# Altium PCB SoBQ.PcbDoc (part 3 of 4)
Units mil, origin at the board's own origin, x right, y up, seen from the top; angles counter-clockwise.
Board outline 16169.25 x 5124.03 mil, 2 copper layers (L1, L2), stack 62.8 mil thick; 313 components, 247 nets, 1579 pads, 489 vias.
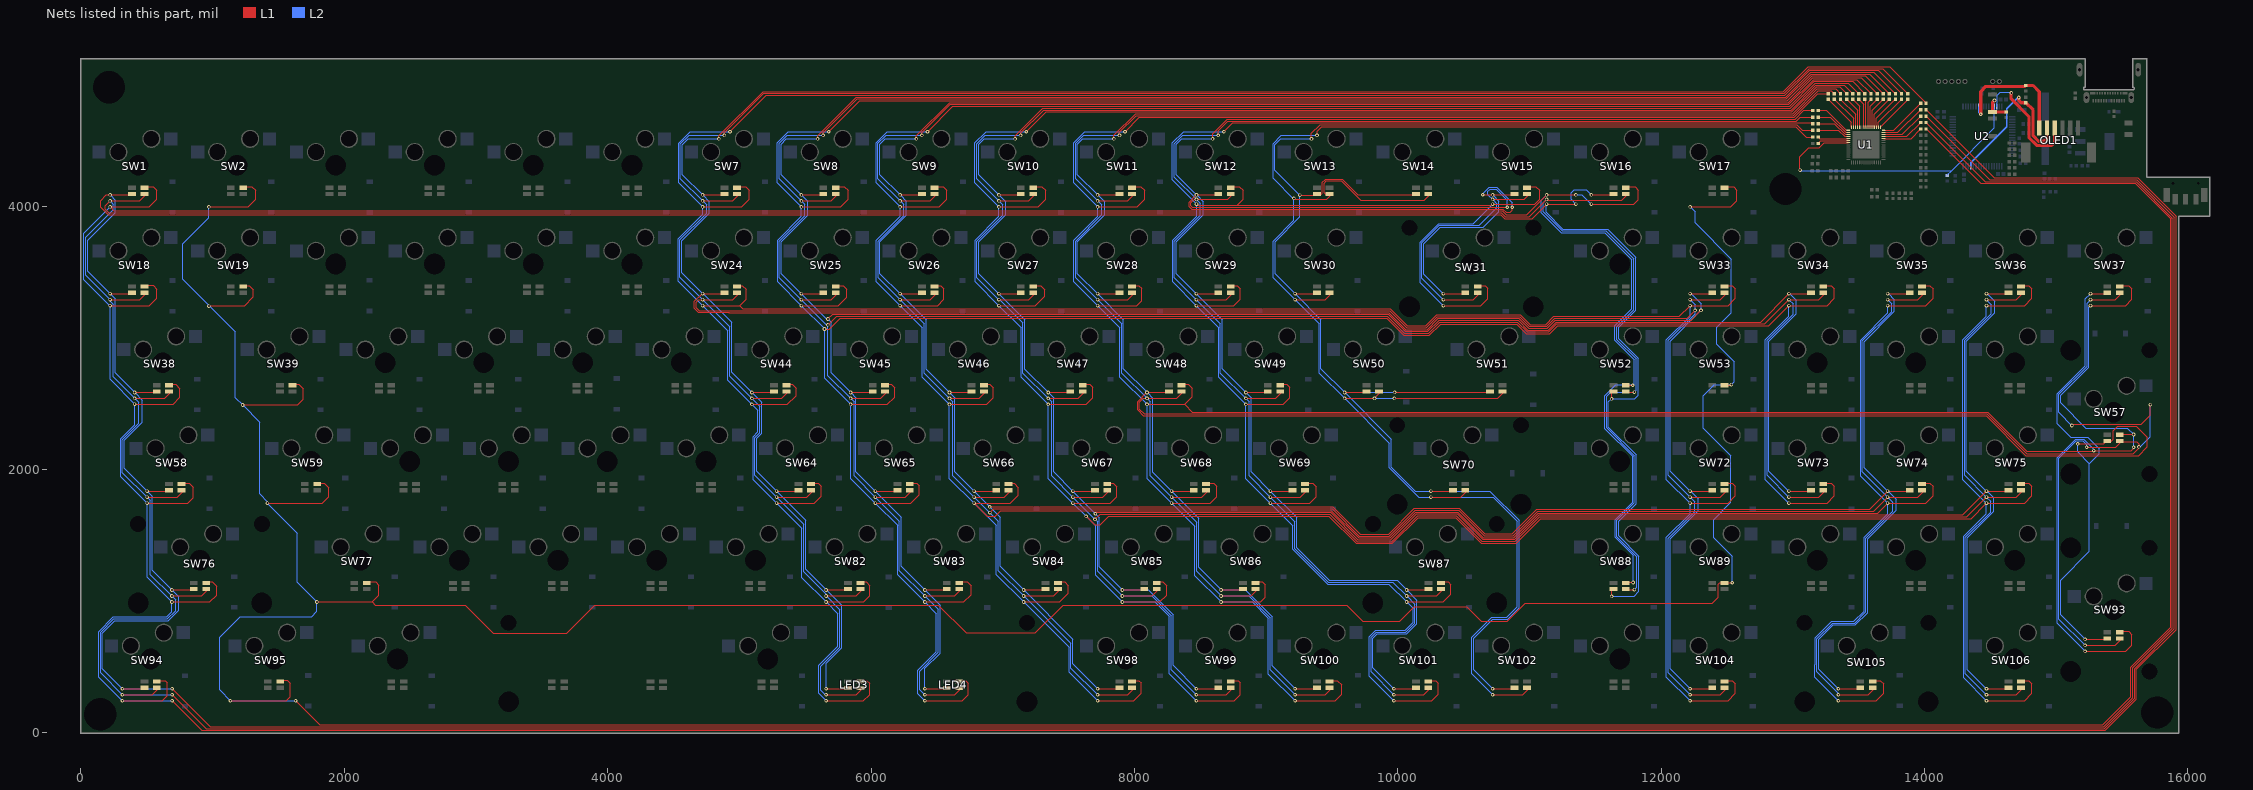
[diagram p3: the nets of this part, all layers, seen from the top]

## Via types
v1: diameter 27, hole 15, L1 to L2, 406 vias
v2: diameter 27, hole 13, L1 to L2, tented both sides, 41 vias
v3: diameter 27, hole 13, L1 to L2, 36 vias
v4: diameter 20, hole 10, L1 to L2, 4 vias
v5: diameter 30, hole 15, L1 to L2, 2 vias

## Nets (pads, with @x,y where several pads share a name; then routed paths per layer and width w, separated by ;. In a path a pad name is that pad's centre, name@x,y a point inside that pad or via, vN(x,y) a via of type N, cw(c..) or ccw(c..) an arc to the next point about the centre after c; other vN are vias at no path point) (continued)
NetLED3_B: LED3.B R14.2 SW7.B SW24.B SW33.B SW44.B SW64.B SW72.B SW82.B SW104.B | length 29901.6
  L1 w8: v1(4721,3244.98) 5002.98,3244.98 ; v1(4721,3994.98) 5019.98,3994.98 5077,4052 5077,4121 5048,4150 SW7.B@4997.05,4150 ; v1(4929,4566) 5206,4843 12940.71,4843 13129.71,5032 13648.78,5032 R14.2@13826.11,4854.67 ; SW24.B@4994.05,3397 5024,3397 5053,3368 5053,3295 5002.98,3244.98 ; v1(5096,2494.98) 5364.98,2494.98 5431,2561 5431,2618 5402,2647 SW44.B@5369.05,2647 ; v1(5283.5,1744.98) 5568.98,1744.98 5622,1798 5622,1875 5600,1897 SW64.B@5556.55,1897 ; v1(5659,244.98) 5942.73,244.98 5988.75,291 5988.75,377 5968.75,397 LED3.B@5932.05,397 ; v1(5659,994.98) 5942.98,994.98 5992,1044 5992,1120 5965,1147 SW82.B@5932.05,1147 ; v1(12221,244.98) 12509.98,244.98 12565,300 12565,373 12541,397 SW104.B@12494.05,397 ; v1(12221,1744.98) 12509.98,1744.98 12565,1800 12565,1873 12541,1897 SW72.B@12494.05,1897 ; SW33.B@12494.05,3397 12541,3397 12565,3373 12565,3300 12509.98,3244.98 v1(12221,3244.98) 12139.02,3163 11186,3163 11125,3102 11005.99,3102 10931.99,3176 10296,3176 10212,3092 10073.99,3092 9943.99,3222 9231.26,3222 9230.73,3221.48 5026.48,3221.48 5002.98,3244.98
  L2 w8: v1(4929,4566) 4625.4,4566 4539,4479.6 4539,4176.98 v1(4721,3994.98) 4721,3937.6 4535,3751.6 4535,3430.98 v1(4721,3244.98) 4913,3053.02 4913,2677.98 v1(5096,2494.98) 5141,2449.98 5141,2286.6 5104,2249.6 5104,1924.48 v1(5283.5,1744.98) 5475,1553.48 5475,1178.98 v1(5659,994.98) 5748,905.98 5748,657.6 5604,513.6 5604,299.98 v1(5659,244.98) ; v1(12221,244.98) 12041,424.98 12041,1486.6 12221,1666.6 v1(12221,1744.98) 12041,1924.98 12041,2986.6 12221,3166.6 v1(12221,3244.98)
NetLED3_G: LED3.G R15.2 SW7.G SW24.G SW33.G SW44.G SW64.G SW72.G SW82.G SW104.G | length 28432.3
  L1 w8: v1(4721,4040.48) 4948.55,4040.48 SW7.G@4994.05,4085.98 ; v1(4887,4539) 4887,4557.23 5186.77,4857 12934.91,4857 13123.91,5046 13682.16,5046 R15.2@13873.5,4854.67 ; SW24.G@4994.05,3335.98 4948.55,3290.48 v1(4721,3290.48) 4691.48,3290.48 4673,3272 4673,3230 4695.52,3207.48 9938.72,3207.48 10068.2,3078 10217.8,3078 10301.8,3162 10926.2,3162 11000.2,3088 11130.8,3088 11191.8,3149 12197,3149 v1(12258,3210) ; v1(5096,2540.48) 5323.55,2540.48 SW44.G@5369.05,2585.98 ; v1(5283.5,1790.48) 5511.05,1790.48 SW64.G@5556.55,1835.98 ; v1(5659,290.48) 5886.55,290.48 LED3.G@5932.05,335.98 ; v1(5659,1040.48) 5886.55,1040.48 SW82.G@5932.05,1085.98 ; v1(12221,290.48) 12448.55,290.48 SW104.G@12494.05,335.98 ; v1(12221,1790.48) 12448.55,1790.48 SW72.G@12494.05,1835.98 ; v1(12221,3290.48) 12448.55,3290.48 SW33.G@12494.05,3335.98
  L2 w8: v1(4887,4539) 4618.2,4539 4553,4473.8 4553,4208.48 v1(4721,4040.48) 4751,4010.48 4751,3947.8 4549,3745.8 4549,3462.48 v1(4721,3290.48) 4927,3084.48 4927,2709.48 v1(5096,2540.48) 5155,2481.48 5155,2280.8 5118,2243.8 5118,1955.98 v1(5283.5,1790.48) 5489,1584.98 5489,1222.74 5659,1052.74 v1(5659,1040.48) 5762,937.48 5762,651.8 5618,507.8 5618,324 5651.52,290.48 v1(5659,290.48) ; v1(12221,290.48) 12055,456.48 12055,1480.8 12254,1679.8 12254,1757.48 v1(12221,1790.48) 12055,1956.48 12055,2980.8 12258,3183.8 v1(12258,3210) 12258,3253.48 v1(12221,3290.48)
NetLED3_R: LED3.R R17.1 SW7.R SW24.R SW33.R SW44.R SW64.R SW72.R SW82.R SW104.R | length 27453.2
  L1 w8: v1(4721,4085.98) SW7.R@4875.94,4085.98 ; v1(4845,4512) 4845,4535.03 5180.97,4871 12929.11,4871 13118.11,5060 13734.96,5060 R17.1@14012.11,4782.85 ; SW24.R@4875.94,3335.98 v1(4721,3335.98) 4717.18,3335.98 4659,3277.8 4659,3224.2 4689.72,3193.48 4920.52,3193.48 4921,3193 9933.4,3193 10062.4,3064 10223.6,3064 10307.6,3148 10920.4,3148 10994.4,3074 11136.6,3074 11197.6,3135 12229,3135 v1(12303,3209) ; v1(5096,2585.98) SW44.R@5250.94,2585.98 ; v1(5283.5,1835.98) SW64.R@5438.44,1835.98 ; v1(5659,335.98) LED3.R@5813.94,335.98 ; v1(5659,1085.98) SW82.R@5813.94,1085.98 ; v1(12221,335.98) SW104.R@12375.94,335.98 ; v1(12221,1835.98) SW72.R@12375.94,1835.98 ; v1(12221,3335.98) SW33.R@12375.94,3335.98
  L2 w8: v1(4845,4512) 4611,4512 4567,4468 4567,4239.98 v1(4721,4085.98) 4771,4035.98 4771,3948 4563,3740 4563,3493.98 v1(4721,3335.98) 4723.02,3338 4941,3120.02 4941,2740.98 v1(5096,2585.98) 5169,2512.98 5169,2275 5132,2238 5132,1987.48 v1(5283.5,1835.98) 5503,1616.48 5503,1241.98 v1(5659,1085.98) 5776,968.98 5776,646 5659,529 v1(5659,335.98) ; v1(12221,335.98) 12069,487.98 12069,1475 12281,1687 12281,1780.02 12223.02,1838 v1(12221,1835.98) 12069,1987.98 12069,2975 v1(12303,3209) 12304,3210 12304,3259.02 12224.02,3339 v1(12221,3335.98)
NetLED4_B: LED4.B R11.2 SW8.B SW25.B SW34.B SW45.B SW65.B SW73.B SW83.B | length 26971.5
  L1 w8: v1(5471,3244.98) 5751.98,3244.98 5816,3309 5816,3369 5788,3397 SW25.B@5744.05,3397 ; v1(5471,3994.98) 5769.98,3994.98 5827,4052 5827,4121 5798,4150 SW8.B@5747.05,4150 ; v1(5647,3068) 5684,3068 5767,3151 9916,3151 10045,3022 10240.99,3022 10324.99,3106 10903,3106 10977,3032 11153.99,3032 11214.99,3093 12819.02,3093 v1(12971,3244.98) 13259.98,3244.98 13315,3300 13315,3373 13291,3397 SW34.B@13244.05,3397 ; v1(5679,4566) 5914,4801 12958.1,4801 13147.1,4990 13551.63,4990 R11.2@13686.96,4854.67 ; v1(5846,2494.98) 6123.98,2494.98 6180,2551 6180,2621 6154,2647 SW45.B@6119.05,2647 ; v1(6033.5,1744.98) 6301.98,1744.98 6367,1810 6367,1876 6346,1897 SW65.B@6306.55,1897 ; v1(6409,244.98) 6692.73,244.98 6738.75,291 6738.75,377 6718.75,397 LED4.B@6682.05,397 ; v1(6409,994.98) 6705.98,994.98 6760,1049 6760,1119 6732,1147 SW83.B@6682.05,1147 ; v1(12971,1744.98) 13259.98,1744.98 13315,1800 13315,1873 13291,1897 SW73.B@13244.05,1897
  L2 w8: v1(5679,4566) 5372.4,4566 5289,4482.6 5289,4176.98 v1(5471,3994.98) 5471,3922.6 5290,3741.6 5290,3425.98 v1(5471,3244.98) 5647,3068.98 v1(5647,3068) 5647,2693.98 v1(5846,2494.98) 5846,1932.48 v1(6033.5,1744.98) 6033.82,1744.98 6202,1576.8 6202,1201.98 v1(6409,994.98) 6497,906.98 6497,617.6 6356,476.6 6356,297.98 v1(6409,244.98) ; v1(12971,1744.98) 12791,1924.98 12791,2986.6 12971,3166.6 v1(12971,3244.98)
NetLED4_G: LED4.G R12.2 SW8.G SW25.G SW34.G SW45.G SW65.G SW73.G SW83.G | length 25194.4
  L1 w8: v1(5471,3290.48) 5698.55,3290.48 SW25.G@5744.05,3335.98 ; v1@5471,4040.48 5698.55,4040.48 SW8.G@5744.05,4085.98 ; v1(5637,4539) 5637,4557.23 5894.77,4815 12952.31,4815 13141.31,5004 13584.01,5004 R12.2@13733.34,4854.67 ; v1(5672,3100) 5675.23,3100 5740.23,3165 9921.8,3165 10050.8,3036 10235.2,3036 10319.2,3120 10908.8,3120 10982.8,3046 11148.2,3046 11209.2,3107 12787.52,3107 v1(12971,3290.48) 13198.55,3290.48 SW34.G@13244.05,3335.98 ; v1(5846,2540.48) 6073.55,2540.48 SW45.G@6119.05,2585.98 ; v1(6033.5,1790.48) 6261.05,1790.48 SW65.G@6306.55,1835.98 ; v1(6409,290.48) 6636.55,290.48 LED4.G@6682.05,335.98 ; v1(6409,1040.48) 6636.55,1040.48 SW83.G@6682.05,1085.98 ; v1(12971,1790.48) 13198.55,1790.48 SW73.G@13244.05,1835.98
  L2 w8: v1@5471,4040.48 5303,4208.48 5303,4476.8 5365.2,4539 v1(5637,4539) ; v1(5471,4041) 5497,4015 5497,3928.8 5304,3735.8 5304,3457.48 v1(5471,3290.48) 5661.48,3100 v1(5672,3100) 5672,2714.48 v1(5846,2540.48) 5871,2515.48 5871,1952.98 v1(6033.5,1790.48) 6216,1607.98 6216,1233.48 v1(6409,1040.48) 6511,938.48 6511,611.8 6370,470.8 6370,329.48 v1(6409,290.48) ; v1(12971,1790.48) 12805,1956.48 12805,2980.8 13003,3178.8 13003,3258.48 v1(12971,3290.48)
NetLED4_R: LED4.R R13.2 SW8.R SW25.R SW34.R SW45.R SW65.R SW73.R SW83.R | length 24093.6
  L1 w8: v1(5471,3335.98) SW25.R@5625.94,3335.98 ; v1(5471,4085.98) SW8.R@5625.94,4085.98 ; v1(5595,4512) 5595,4535.03 5888.97,4829 12946.51,4829 13135.51,5018 13616.39,5018 R13.2@13779.73,4854.67 ; v1(5673,3144) 5708,3179 9927.6,3179 10056.6,3050 10229.4,3050 10313.4,3134 10914.6,3134 10988.6,3060 11142.4,3060 11203.4,3121 12756.02,3121 v1(12971,3335.98) SW34.R@13125.94,3335.98 ; v1(5846,2585.98) SW45.R@6000.94,2585.98 ; v1(6033.5,1835.98) SW65.R@6188.44,1835.98 ; v1(6409,335.98) LED4.R@6563.94,335.98 ; v1(6409,1085.98) SW83.R@6563.94,1085.98 ; v1(12971,1835.98) SW73.R@13125.94,1835.98
  L2 w8: v1(5595,4512) 5358,4512 5317,4471 5317,4239.98 v1(5471,4085.98) 5519,4037.98 5519,3931 5318,3730 5318,3488.98 v1(5471,3335.98) 5664.98,3142 5666.98,3144 v1(5673,3144) 5698,3119 5698,2733.98 v1(5846,2585.98) 5886,2545.98 5886,1983.48 v1(6033.5,1835.98) 6230,1639.48 6230,1264.98 v1(6409,1085.98) 6525,969.98 6525,606 6409,490 v1(6409,335.98) ; v1(12971,3335.98) 12974.02,3339 13026,3287.02 13026,3182 12819,2975 12819,1987.98 v1(12971,1835.98) v1@12973.02,1838
NetOLED1_1: OLED1.1 R59.1 U2.55 | length 999.1
  L1 w25: v3(14426.5,4698) 14426.5,4870 14466.31,4909.81 14763.11,4909.81 R59.1@14770.5,4917.2 14824.8,4917.2 14871.36,4870.64 OLED1.1@14871.36,4593.41
  L2 w10: U2.55@14410.97,4757.38 14410.97,4714.3 14426.88,4698.39 v3(14426.5,4698)
NetOLED1_2: OLED1.2 R60.1 U2.29 | length 1243.6
  L1 w25: v3(14715.49,4826) 14715.49,4806.51 14735.67,4786.33 R60.1@14770.16,4786.33 14825,4731.5 14825,4534 14866,4493 14909,4493 14930.42,4514.42 OLED1.2@14930.42,4593.41
  L2 w10: U2.29@14351.91,4304.62 14351.91,4330.42 14624.76,4603.27 14624.76,4741.79 14708.98,4826 v3(14715.49,4826)
NetOLED1_3: OLED1.3 U2.62 | length 941.6
  L1 w25: v3(14660.5,4861) 14658.01,4858.51 14658.01,4816.49 14794,4680.5 14794,4521.16 14853.16,4462 14965,4462 14989.47,4486.47 OLED1.3@14989.47,4593.41
  L2 w6: U2.62@14548.76,4757.38 14548.76,4779.95 14554.53,4785.71 14554.53,4844.35 14577.36,4867.18 14654.32,4867.18 v3(14660.5,4861)
NetR1_1: R1.1 SW109.2 U2.60 | length 252.9
  L1 w25: v3(14532.03,4804) 14517.19,4789.16 SW109.2@14517.19,4716.26 14517.74,4715.71 R1.1@14620,4715.71
  L2 w8: U2.60@14509.39,4757.38 14509.39,4781.36 v3(14532.03,4804)
NetR2_1: R2.1 U1.60 | length 285.6
  L1 w8: R2.1@13269.5,4813.33 13445.54,4637.29 U1.60@13445.54,4600.66
NetR2_2: R2.2 SW11.B SW28.B SW37.B SW48.B SW57.B SW68.B SW86.B SW93.B SW100.B | length 26286.7
  L1 w8: v1(7721,3244.98) 8016.98,3244.98 8055,3283 8055,3377 8035,3397 SW28.B@7994.05,3397 ; v1(7721,3994.98) 8019.98,3994.98 8077,4052 8077,4121 8048,4150 SW11.B@7997.05,4150 ; v1(7929,4566) 8038,4675 13010.5,4675 13190.16,4854.67 R2.2@13269.5,4854.67 ; v1(8096,2494.98) 8381.98,2494.98 ; v1(8283.5,1744.98) 8574.98,1744.98 8625,1795 8625,1873 8601,1897 SW68.B@8556.55,1897 ; SW48.B@8369.05,2647 8409,2647 8439,2617 8439,2552 8381.98,2494.98 ; v1(8659,994.98) 8957.98,994.98 8994,1031 8994,1125 8972,1147 SW86.B@8932.05,1147 ; v1(9221,244.98) 9523.98,244.98 9573,294 9573,366 9542,397 SW100.B@9494.05,397 ; v1(15221,619.98) 15527.98,619.98 15576,668 15576,748 15552,772 SW93.B@15494.05,772 ; v1(15261,3245) 15527.95,3245 ; SW57.B@15494.05,2272 15499.05,2267 v1(15588,2267) ; SW37.B@15494.05,3397 15552,3397 15576,3373 15576,3293 15527.98,3244.98 ; v1(15588,2170) 15588,2162 15571,2145 v2(15285,2145) 15284,2146 15277,2139 14778.6,2139 14480.6,2437 8439.95,2437 8381.98,2494.98
  L2 w8: v1(7929,4566) 7621.4,4566 7539,4483.6 7539,4176.98 v1(7721,3994.98) 7721,3922.6 7540,3741.6 7540,3425.98 v1(7721,3244.98) 7889,3076.98 7889,2701.98 v1(8096,2494.98) 8096,1932.48 v1(8283.5,1744.98) 8283.82,1744.98 8459,1569.8 8459,1194.98 v1(8659,994.98) 8893.82,994.98 9018,870.8 9018,447.98 v1(9221,244.98) ; v1(15221,619.98) 15006.83,834.14 15006.83,2090.87 15148.47,2232.5 15208.5,2232.5 15285,2156 v2(15285,2145) ; v1(15261,3245) 15249,3233 15249,2779 15034.83,2564.83 15034.83,2506.17 15226,2315 15540,2315 v1(15588,2267) v1(15588,2170)
NetR3_1: R3.1 U1.59 | length 272.9
  L1 w8: R3.1@13315.88,4813.33 13461.29,4667.92 U1.59@13461.29,4600.66
NetR3_2: R3.2 SW11.G SW28.G SW37.G SW48.G SW57.G SW68.G SW86.G SW93.G SW100.G | length 25704.4
  L1 w8: v1(7721,3290.48) 7948.55,3290.48 SW28.G@7994.05,3335.98 ; v1(7721,4040.48) 7948.55,4040.48 SW11.G@7994.05,4085.98 ; v1(7887,4539) 7887,4561 8015,4689 13004.5,4689 13193.5,4878 13292.55,4878 R3.2@13315.88,4854.67 ; v1(8283.5,1790.48) 8511.05,1790.48 SW68.G@8556.55,1835.98 ; SW48.G@8369.05,2585.98 8323.55,2540.48 v1(8096,2540.48) 8068.48,2540.48 8038,2510 8038,2459 8074,2423 14474.8,2423 14776.8,2121 15587,2121 15629,2163 v1(15629,2173) 15631,2175 15631,2193 15613.02,2210.98 15494.05,2210.98 15452.08,2169 v2(15231,2169) ; v1(8659,1040.48) 8886.55,1040.48 SW86.G@8932.05,1085.98 ; v1(9221,290.48) 9448.55,290.48 SW100.G@9494.05,335.98 ; v2(15120,2335) 15128,2343 15646,2343 15716,2413 v1(15716,2493) ; v1(15221,665.48) 15448.55,665.48 SW93.G@15494.05,710.98 ; v1(15261,3290.48) 15448.55,3290.48 SW37.G@15494.05,3335.98
  L2 w8: v1(7721,4040.48) 7553,4208.48 7553,4477.8 7614.2,4539 v1(7887,4539) ; v1@7721,4041 7752,4010 7752,3933.8 7554,3735.8 7554,3457.48 v1(7721,3290.48) 7903,3108.48 7903,2733.48 v1(8096,2540.48) 8121,2515.48 8121,1952.98 v1(8283.5,1790.48) 8473,1600.98 8473,1226.48 v1(8659,1040.48) 8868.12,1040.48 9032,876.6 9032,479.48 v1(9221,290.48) ; v2(15120,2335) 15020.83,2434.17 15020.83,2570.63 15235,2784.8 15235,3264.48 v1(15261,3290.48) ; v1(15221,665.48) 15020.83,865.64 15020.83,2085.07 15154.27,2218.5 15202.5,2218.5 15231,2190 v2(15231,2169) ; v1(15629,2173) 15639,2173 15716,2250 v1(15716,2493)
NetR4_1: R4.1 U1.58 | length 260.2
  L1 w8: R4.1@13362.26,4813.33 13477.04,4698.56 U1.58@13477.04,4600.66
NetR4_2: R4.2 SW11.R SW28.R SW37.R SW48.R SW57.R SW68.R SW86.R SW93.R SW100.R | length 24358.4
  L1 w8: v1(7721,3335.98) SW28.R@7875.94,3335.98 ; v1(7721,4085.98) SW11.R@7875.94,4085.98 ; v1(7845,4512) 7845,4538.8 8009.2,4703 12998.7,4703 13187.7,4892 13324.93,4892 R4.2@13362.26,4854.67 ; SW48.R@8250.94,2585.98 v1(8096,2585.98) 8094.18,2585.98 8024,2515.8 8024,2453.2 8068.2,2409 14469,2409 14771,2107 15626,2107 15692,2173 15692,2247 15610,2329 15468,2329 15435,2296 15435,2231 15414.98,2210.98 15375.94,2210.98 15359.97,2195 v2(15164,2195) ; v1(8283.5,1835.98) SW68.R@8438.44,1835.98 ; v1(8659,1085.98) SW86.R@8813.94,1085.98 ; v1(9221,335.98) SW100.R@9375.94,335.98 ; v1(15221,710.98) SW93.R@15375.94,710.98 ; v1(15261,3335.98) SW37.R@15375.94,3335.98
  L2 w8: v1(7845,4512) 7607,4512 7567,4472 7567,4239.98 v1(7721,4085.98) 7774,4032.98 7774,3936 7568,3730 7568,3488.98 v1(7721,3335.98) 7917,3139.98 7917,2764.98 v1(8096,2585.98) 8139,2542.98 8139,1980.48 v1(8283.5,1835.98) 8487,1632.48 8487,1257.98 v1(8659,1085.98) 8842.42,1085.98 9046,882.4 9046,510.98 v1(9221,335.98) ; v2@15160,2195 v2(15164,2195) 15164,2135.37 15253,2046.37 ; v1(15221,710.98) 15034.83,897.14 15034.83,1161.83 15253,1380 15253,2046.37 ; v1(15261,3335.98) 15221,3295.98 15221,2790.6 15006.83,2576.43 15006.83,2349.17 15109.5,2246.5 15240.5,2246.5 15327,2160 15327,2120.37 15253,2046.37
NetR5_1: R5.1 U1.57 | length 247.5
  L1 w8: R5.1@13408.65,4813.33 13492.78,4729.2 U1.57@13492.78,4600.66
NetR5_2: R5.2 SW10.B SW27.B SW36.B SW47.B SW67.B SW75.B SW85.B SW99.B SW106.B | length 27250
  L1 w8: v1(6971,3244.98) 7247.98,3244.98 7321,3318 7321,3365 7289,3397 SW27.B@7244.05,3397 ; v1(6971,3994.98) 7269.98,3994.98 7327,4052 7327,4121 7298,4150 SW10.B@7247.05,4150 ; v1(7179,4566) 7330,4717 12992.9,4717 13181.9,4906 13357.32,4906 R5.2@13408.65,4854.67 ; v1(7346,2494.98) 7632.98,2494.98 7683,2545 7683,2625 7661,2647 SW47.B@7619.05,2647 ; v1(7533.5,1744.98) 7816.98,1744.98 7867,1795 7867,1871 7841,1897 SW67.B@7806.55,1897 ; v1(7633.4,1645.4) 7697.8,1581 7739,1581 7805,1647 9478.01,1647 9685.01,1440 9959.99,1440 10155.99,1636 10439.01,1636 10633.01,1442 10898.99,1442 11084.99,1628 14354.02,1628 v1(14471,1744.98) 14759.98,1744.98 14815,1800 14815,1873 14791,1897 SW75.B@14744.05,1897 ; v1(7909,994.98) 8193.98,994.98 8245,1046 8245,1119 8217,1147 SW85.B@8182.05,1147 ; v1(8471,244.98) 8758.98,244.98 8805,291 8805,381 8789,397 SW99.B@8744.05,397 ; v1(14471,244.98) 14759.98,244.98 14815,300 14815,373 14791,397 SW106.B@14744.05,397 ; v1@14471,3244.98 14759.98,3244.98 14815,3300 14815,3373 14791,3397 SW36.B@14744.05,3397
  L2 w8: v1(7179,4566) 6873.4,4566 6789,4481.6 6789,4176.98 v1(6971,3994.98) 6971,3922.6 6790,3741.6 6790,3425.98 v1(6971,3244.98) 7140,3075.98 7140,2700.98 v1(7346,2494.98) 7346,1932.48 v1(7533.5,1744.98) 7533.82,1744.98 v1(7633.4,1645.4) 7706,1572.8 7706,1197.98 v1(7909,994.98) 8155.82,994.98 8266,884.8 8266,449.98 v1(8471,244.98) ; v1(14471,244.98) 14297,418.98 14297,1492.6 14471,1666.6 v1(14471,1744.98) 14291,1924.98 14291,2986.6 14471,3166.6 v1@14471,3244.98
  other v1: 14471,3246
NetR6_1: R6.1 U1.56 | length 234.8
  L1 w8: R6.1@13455.03,4813.33 13508.53,4759.83 U1.56@13508.53,4600.66
NetR6_2: R6.2 SW10.G SW27.G SW36.G SW47.G SW67.G SW75.G SW85.G SW99.G SW106.G | length 25171.7
  L1 w8: v1(6971,3290.48) 7198.55,3290.48 SW27.G@7244.05,3335.98 ; v1(6971,4040.48) 7198.55,4040.48 SW10.G@7244.05,4085.98 ; v1(7137,4539) 7137,4557.23 7310.77,4731 12987.1,4731 13176.1,4920 13389.7,4920 R6.2@13455.03,4854.67 ; v1(7346,2540.48) 7573.55,2540.48 SW47.G@7619.05,2585.98 ; v1(7533.5,1790.48) 7761.05,1790.48 SW67.G@7806.55,1835.98 ; v1(7700.99,1622.99) 7739,1661 9483.8,1661 9690.8,1454 9954.2,1454 10150.2,1650 10444.8,1650 10638.8,1456 10893.2,1456 11079.2,1642 14322.52,1642 v1(14471,1790.48) 14698.55,1790.48 SW75.G@14744.05,1835.98 ; v1(7909,1040.48) 8136.55,1040.48 SW85.G@8182.05,1085.98 ; v1(8471,290.48) 8698.55,290.48 SW99.G@8744.05,335.98 ; v1(14471,290.48) 14698.55,290.48 SW106.G@14744.05,335.98 ; v1(14471,3290.48) 14698.55,3290.48 SW36.G@14744.05,3335.98
  L2 w8: v1(6971,4040.48) 6803,4208.48 6803,4475.8 6866.2,4539 v1(7137,4539) ; v1@6971,4041 6999,4013 6999,3930.8 6804,3735.8 6804,3457.48 v1(6971,3290.48) 6979.52,3290.48 7154,3116 7154,2732.48 v1(7346,2540.48) 7372,2514.48 7372,1951.98 v1(7533.5,1790.48) v1(7700.99,1622.99) 7720,1603.98 7720,1229.48 v1(7909,1040.48) 8130.12,1040.48 8280,890.6 8280,481.48 v1(8471,290.48) ; v1(14471,290.48) 14311,450.48 14311,1486.8 14502,1677.8 14502,1759.48 v1(14471,1790.48) 14305,1956.48 14305,2980.8 14508,3183.8 14508,3253.48 v1(14471,3290.48)
NetR7_1: R7.1 U1.54 | length 228.7
  L1 w8: R7.1@13501.42,4813.33 13540.03,4774.72 U1.54@13540.03,4600.66
NetR7_2: R7.2 SW10.R SW27.R SW36.R SW47.R SW67.R SW75.R SW85.R SW99.R SW106.R | length 23947.1
  L1 w8: v1(6971,3335.98) SW27.R@7125.94,3335.98 ; v1(6971,4085.98) SW10.R@7125.94,4085.98 ; v1(7095,4512) 7095,4535.03 7304.97,4745 12981.3,4745 13170.3,4934 13422.09,4934 R7.2@13501.42,4854.67 ; v1(7346,2585.98) SW47.R@7500.94,2585.98 ; v1(7533.5,1835.98) SW67.R@7688.44,1835.98 ; v1(7703,1665) 7713,1675 9489.6,1675 9696.6,1468 9948.4,1468 10144.4,1664 10450.6,1664 10644.6,1470 10887.4,1470 11073.4,1656 14291.02,1656 v1(14471,1835.98) SW75.R@14625.94,1835.98 ; v1(7909,1085.98) SW85.R@8063.94,1085.98 ; v1(8471,335.98) SW99.R@8625.94,335.98 ; v1(14471,335.98) SW106.R@14625.94,335.98 ; v1(14471,3335.98) SW36.R@14625.94,3335.98
  L2 w8: v1(7095,4512) 6859,4512 6817,4470 6817,4239.98 v1(6971,4085.98) 7024,4032.98 7024,3936 6818,3730 6818,3488.98 v1(6971,3335.98) 7168,3138.98 7168,2763.98 v1(7346,2585.98) 7386,2545.98 7386,1983.48 v1(7533.5,1835.98) v1@7703.74,1665.74 ; v1(7703,1665) 7734,1634 7734,1260.98 v1(7909,1085.98) 8104.42,1085.98 8294,896.4 8294,512.98 v1(8471,335.98) ; v1(14471,335.98) 14325,481.98 14325,1481 14526.1,1682.1 14526.1,1784.92 14473.02,1838 v1(14471,1835.98) 14319,1987.98 14319,2975 14534,3190 14534,3279.02 14474.02,3339 v1(14471,3335.98)
NetR8_1: R8.1 U1.53 | length 216
  L1 w8: R8.1@13547.8,4813.33 13555.78,4805.36 U1.53@13555.78,4600.66
NetR8_2: R8.2 SW9.B SW26.B SW35.B SW46.B SW66.B SW74.B SW84.B SW98.B SW105.B | length 28351.2
  L1 w8: v1(6221,3244.98) 6504.98,3244.98 6554,3294 6554,3374 6531,3397 SW26.B@6494.05,3397 ; v1(6221,3994.98) 6519.98,3994.98 6577,4052 6577,4121 6548,4150 SW9.B@6497.05,4150 ; v1(6429,4566) 6622,4759 12975.5,4759 13164.5,4948 13454.47,4948 R8.2@13547.8,4854.67 ; v1(6596,2494.98) 6878.98,2494.98 6930,2546 6930,2620 6903,2647 SW46.B@6869.05,2647 ; SW66.B@7056.55,1897 7086,1897 7119,1864 7119,1805 7058.98,1744.98 v1(6783.5,1744.98) 6881.48,1647 6942,1647 6984,1689 9495.4,1689 9702.4,1482 9942.6,1482 10138.6,1678 10456.4,1678 10650.4,1484 10881.6,1484 11067.6,1670 13646.02,1670 v1(13721,1744.98) 14009.98,1744.98 14065,1800 14065,1873 14041,1897 SW74.B@13994.05,1897 ; v1(7159,994.98) 7432.98,994.98 7499,1061 7499,1120 7472,1147 SW84.B@7432.05,1147 ; v1(7721,244.98) 7993.98,244.98 8052,303 8052,380 8035,397 SW98.B@7994.05,397 ; v1(13346,244.98) 13634.98,244.98 13690,300 13690,373 13666,397 SW105.B@13619.05,397 ; v1(13721,3244.98) 14009.98,3244.98 14065,3300 14065,3373 14041,3397 SW35.B@13994.05,3397
  L2 w8: v1(6429,4566) 6122.4,4566 6039,4482.6 6039,4176.98 v1(6221,3994.98) 6221,3922.6 6040,3741.6 6040,3425.98 v1(6221,3244.98) 6390,3075.98 6390,2700.98 v1(6596,2494.98) 6596,1932.48 v1(6783.5,1744.98) 6783.82,1744.98 6952,1576.8 6952,1201.98 v1(7159,994.98) 7504,649.98 7504,461.98 v1(7721,244.98) ; v1(13346,244.98) 13168,422.98 13168,520 13169,521 13169,721.79 13296.21,849 13464.4,849 13541,925.6 13541,1486.6 13721,1666.6 v1(13721,1744.98) 13515,1950.98 13515,2983.6 13721,3189.6 v1(13721,3244.98)
NetR9_1: R9.1 U1.52 | length 222.1
  L1 w8: U1.52@13571.52,4600.66 13571.52,4790.67 R9.1@13594.19,4813.33
NetR9_2: R9.2 SW9.G SW26.G SW35.G SW46.G SW66.G SW74.G SW84.G SW98.G SW105.G | length 26265.3
  L1 w8: v1(6221,3290.48) 6448.55,3290.48 SW26.G@6494.05,3335.98 ; v1(6221,4040.48) 6448.55,4040.48 SW9.G@6494.05,4085.98 ; v1(6387,4539) 6387,4557.23 6602.77,4773 12969.7,4773 13158.7,4962 13486.86,4962 R9.2@13594.19,4854.67 ; v1(6596,2540.48) 6823.55,2540.48 SW46.G@6869.05,2585.98 ; v1(6783.5,1790.48) 7011.05,1790.48 SW66.G@7056.55,1835.98 ; v1(6902,1673) 6932,1703 9501.2,1703 9708.2,1496 9936.8,1496 10132.8,1692 10462.2,1692 10656.2,1498 10875.8,1498 11061.8,1684 13614.52,1684 v1(13721,1790.48) 13948.55,1790.48 SW74.G@13994.05,1835.98 ; v1(7159,1040.48) 7386.55,1040.48 SW84.G@7432.05,1085.98 ; v1(7721,290.48) 7948.55,290.48 SW98.G@7994.05,335.98 ; v1(13346,290.48) 13573.55,290.48 SW105.G@13619.05,335.98 ; v1(13721,3290.48) 13948.55,3290.48 SW35.G@13994.05,3335.98
  L2 w8: v1(6387,4539) 6115.2,4539 6053,4476.8 6053,4208.48 v1(6221,4040.48) 6247.5,4013.98 6247.5,3929.3 6054,3735.8 6054,3457.48 v1(6221,3290.48) 6404,3107.48 6404,2732.48 v1(6596,2540.48) 6622,2514.48 6622,1951.98 v1(6783.5,1790.48) 6966,1607.98 6966,1233.48 v1(7159,1040.48) 7518,681.48 7518,493.48 v1(7721,290.48) ; v1(13346,290.48) 13346,302.74 13183,465.74 13183,509 13182,510 13183,511 13183,715.99 13302.01,835 13470.2,835 13555,919.8 13555,1480.8 13758,1683.8 13758,1753.48 v1(13721,1790.48) 13529,1982.48 13529,2977.8 13750,3198.8 13750,3261.48 v1(13721,3290.48)
NetR10_1: R10.1 U1.51 | length 234.7
  L1 w8: U1.51@13587.27,4600.66 13587.27,4760.03 R10.1@13640.57,4813.33
NetR10_2: R10.2 SW9.R SW26.R SW35.R SW46.R SW66.R SW74.R SW84.R SW98.R SW105.R | length 25058
  L1 w8: v1(6221,3335.98) SW26.R@6375.94,3335.98 ; v1(6221,4085.98) SW9.R@6375.94,4085.98 ; v1(6345,4512) 6345,4535.03 6596.97,4787 12963.9,4787 13152.9,4976 13519.24,4976 R10.2@13640.57,4854.67 ; v1(6596,2585.98) SW46.R@6750.94,2585.98 ; v1(6783.5,1835.98) SW66.R@6938.44,1835.98 ; v1(6901.74,1717.74) 6902.48,1717 9507,1717 9714,1510 9931,1510 10127,1706 10468,1706 10662,1512 10870,1512 11056,1698 13583.02,1698 v1(13721,1835.98) SW74.R@13875.94,1835.98 ; v1(7159,1085.98) SW84.R@7313.94,1085.98 ; v1(7721,335.98) SW98.R@7875.94,335.98 ; v1(13346,335.98) SW105.R@13500.94,335.98 ; v1(13721,3335.98) SW35.R@13875.94,3335.98
  L2 w8: v1(6345,4512) 6108,4512 6067,4471 6067,4239.98 v1(6221,4085.98) 6268,4038.98 6268,3930 6068,3730 6068,3488.98 v1(6221,3335.98) 6418,3138.98 6418,2763.98 v1(6596,2585.98) 6636,2545.98 6636,1983.48 v1(6783.5,1835.98) v1(6901.74,1717.74) 6980,1639.48 6980,1264.98 v1(7159,1085.98) 7532,712.98 7532,524.98 v1(7721,335.98) ; v1(13346,335.98) 13197,484.98 13197,710.19 13307.81,821 13476,821 13569,914 13569,1475 13785,1691 13785,1776.02 13723.02,1838 v1(13721,1835.98) 13543,2013.98 13543,2972 13772,3201 13772,3291.02 13724.02,3339 v1(13721,3335.98)
NetR11_1: R11.1 U1.50 | length 247.4
  L1 w8: U1.50@13603.02,4600.66 13603.02,4729.39 R11.1@13686.96,4813.33
NetR12_1: R12.1 U1.49 | length 260.1
  L1 w8: U1.49@13618.77,4600.66 13618.77,4698.76 R12.1@13733.34,4813.33
NetR13_1: R13.1 U1.48 | length 272.8
  L1 w8: U1.48@13634.52,4600.66 13634.52,4668.12 R13.1@13779.73,4813.33
NetR14_1: R14.1 U1.47 | length 285.5
  L1 w8: U1.47@13650.26,4600.66 13650.26,4637.48 R14.1@13826.11,4813.33
NetR15_1: R15.1 U1.46 | length 298.6
  L1 w8: U1.46@13666.01,4600.66 13873.5,4808.14 R15.1@13873.5,4813.33
NetR16_1: R16.1 U1.1 | length 292.4
  L1 w8: R16.1@13192.06,4727.64 13254.86,4727.64 13405.26,4577.24 U1.1@13422.11,4577.24
NetR16_2: R16.2 SW12.R SW15.R SW29.R SW31.R SW49.R SW69.R SW87.R SW101.R | length 16190.3
  L1 w8: v1(8471,3335.98) SW29.R@8625.94,3335.98 ; v1(8595,4512) 8595,4550.8 8705.2,4661 13017.5,4661 13084.13,4727.64 R16.2@13150.72,4727.64 ; SW12.R@8625.94,4085.98 v1(8472,4085.98) 8471.18,4085.98 8416,4030.8 8416,3997.2 8434.2,3979 10799.27,3979 10824.27,3954 10854,3954 10870,3970 v2(10870,3993.5) ; v1(8846,2585.98) SW49.R@9000.94,2585.98 ; v1(9033.5,1835.98) SW69.R@9188.44,1835.98 ; v1(9971,335.98) SW101.R@10125.94,335.98 ; v1(10067.5,1085.98) SW87.R@10222.44,1085.98 ; v1(10346,3335.98) SW31.R@10500.94,3335.98 ; v2(10645,4087) 10646.02,4085.98 v1(10721,4085.98) SW15.R@10875.94,4085.98
  L2 w8: v1(8595,4512) 8359,4512 8317,4470 8317,4239.98 8443,4113.98 8444,4113.98 v1(8472,4085.98) 8522,4035.98 8522,3934 8318,3730 8318,3488.98 v1(8471,3335.98) 8667,3139.98 8667,2764.98 v1(8846,2585.98) 8886,2545.98 8886,1983.48 v1(9033.5,1835.98) 9232,1637.48 9232,1405.6 9478.6,1159 9994.48,1159 v1(10067.5,1085.98) 10144,1009.48 10144,828 10068,752 9844,752 9812,720 9812,494.98 v1(9971,335.98) ; v1(10346,3335.98) 10198,3483.98 10198,3717 10321.9,3840.9 10649.9,3840.9 10768,3959 10768,4038.98 v1(10721,4085.98) ; v2(10645,4087) 10645,4093.8 10695.2,4144 10753.8,4144 10870,4027.8 v2(10870,3993.5) v2@10870,3987
NetR17_2: R17.2 U1.45 | length 366.5
  L1 w8: U1.45@13689.44,4577.24 13765.17,4577.24 R17.2@13970.78,4782.85
NetR18_1: R18.1 U1.2 | length 278.1
  L1 w8: R18.1@13192.06,4677.37 13285.33,4677.37 13401.21,4561.49 U1.2@13422.11,4561.49
NetR18_2: R18.2 SW12.G SW15.G SW29.G SW31.G SW49.G SW69.G SW87.G SW101.G | length 17075.2
  L1 w8: v1(8471,3290.48) 8698.55,3290.48 SW29.G@8744.05,3335.98 ; v1(8637,4539) 8637,4573 8711,4647 13027.5,4647 13057.86,4677.37 R18.2@13150.72,4677.37 ; SW12.G@8744.05,4085.98 8710.08,4052 v1(8472,4052) 8457,4052 8430,4025 8430,4003 8440,3993 10831,3993 v2(10832,3992) ; v1(8846,2540.48) 9073.55,2540.48 SW49.G@9119.05,2585.98 ; v1(9033.5,1790.48) 9261.05,1790.48 SW69.G@9306.55,1835.98 ; v1(9971,290.48) 10198.55,290.48 SW101.G@10244.05,335.98 ; v1(10067.5,1040.48) 10295.05,1040.48 SW87.G@10340.55,1085.98 ; v1(10346,3290.48) 10573.55,3290.48 SW31.G@10619.05,3335.98 ; v1(10721,4052) 10960.08,4052 SW15.G@10994.05,4085.98
  L2 w8: v1@8471,4041 8482,4052 8482,4042 8501,4023 8501,3932.8 8304,3735.8 8304,3457.48 v1(8471,3290.48) 8653,3108.48 8653,2733.48 v1(8846,2540.48) 8872,2514.48 8872,1951.98 v1(9033.5,1790.48) 9218,1605.98 9218,1399.8 9472.8,1145 9962.98,1145 v1(10067.5,1040.48) 10130,977.98 10130,833.8 10062.2,766 9838.2,766 9798,725.8 9798,463.48 v1(9971,290.48) ; v1(8472,4052) 8303,4221 8303,4475.8 8366.2,4539 v1(8637,4539) ; v1(10346,3290.48) 10184,3452.48 10184,3722.8 10316.1,3854.9 10618.9,3854.9 10752,3988 10752,4021 v1(10721,4052) 10685,4088 10685,4114 10701,4130 10748,4130 10832,4046 v2(10832,3992)
NetR19_1: R19.1 SW1.B SW16.B SW18.B SW38.B SW52.B SW58.B SW76.B SW88.B SW94.B | length 45357.4
  L1 w8: v1(221,3244.98) 519.98,3244.98 577,3302 577,3371 548,3400 497.05,3400 SW18.B@494.05,3397 ; v1(315.13,244.98) 615.98,244.98 655,284 655,383 641,397 SW94.B@588.18,397 ; v1(408.5,2498) 700,2498 752,2550 752,2615 720,2647 SW38.B@681.55,2647 ; SW1.B@497.05,4150 548,4150 577,4121 577,4052 519.98,3994.98 v1(221,3994.98) 250.98,3965 10793.47,3965 10823.47,3935 10979.02,3935 v2(11130,4085.98) v1(11352.89,4085.98) ; v1(502.25,1744.98) 809.98,1744.98 853,1788 853,1868 824,1897 SW58.B@775.3,1897 ; v1(690.14,994.98) 977.98,994.98 1030,1047 1030,1116 999,1147 SW76.B@963.19,1147 ; v1(692.88,244.98) 918.85,19 15372.19,19 15610,256.81 15610,483.81 15911,784.81 15911,3922.42 15618.42,4215 14531.04,4215 R19.1@14012.11,4733.92 ; v1(11471,4017) 11794,4017 11826,4049 11826,4123 11802,4147 SW16.B@11744.05,4147 ; SW52.B@11732.24,2640.35 v3(11785,2640.35) ; SW52.B@11732.24,2646 11743.05,2646 SW52.B@11744.05,2647 ; SW88.B@11743.05,1146 11746.05,1143 v1(11787,1143)
  L2 w8: v1(221,3994.98) 23,3796.98 23,3442 220.02,3244.98 v1(221,3244.98) 221,2685.5 v1(408.5,2498) 408.5,2341.97 301.13,2234.6 301.13,1946.1 v1(502.25,1744.98) 504.14,1743.09 504.14,1181.86 680.51,1005.49 ; v1(690.14,994.98) 690.14,919.74 651.4,881 245.2,881 135,770.8 135,425.1 v1(315.13,244.98) v1(692.88,244.98) ; v2(11130,4085.98) 11091,4046.98 11091,3950.77 11242.77,3799 11573.4,3799 11778,3594.4 11778,3221 11649,3092 11649,2982 11795,2836 11795,2650.35 v3(11785,2640.35) 11779.35,2646 11655.2,2646 11572,2562.8 11572,2312 11783,2101 11783,1754 11650,1621 11650,1485 11787,1348 v1(11787,1143) ; v1(11352.89,4085.98) 11399.02,4085.98 v1@11475,4010
NetR19_2: R19.2 U1.44 | length 352.8
  L1 w8: U1.44@13689.44,4561.49 13798.34,4561.49 R19.2@13970.78,4733.92
NetR20_1: R20.1 U1.3 | length 263.8
  L1 w8: R20.1@13192.06,4627.09 13315.8,4627.09 13397.16,4545.74 U1.3@13422.11,4545.74
NetR20_2: R20.2 SW12.B SW15.B SW29.B SW31.B SW49.B SW69.B SW87.B SW101.B | length 17992.6
  L1 w8: v1(8471,3244.98) 8755.98,3244.98 8805,3294 8805,3373 8781,3397 SW29.B@8744.05,3397 ; v1(8472,4017) 8482,4007 8782,4007 ; v1(8679,4566) 8745.9,4632.9 13144.92,4632.9 R20.2@13150.72,4627.09 ; SW12.B@8747.05,4150 8798,4150 8827,4121 8827,4052 8782,4007 ; v1(8846,2494.98) 9128.98,2494.98 9180,2546 9180,2626 9159,2647 SW49.B@9119.05,2647 ; v1(9033.5,1744.98) 9330.98,1744.98 9380,1794 9380,1871 9354,1897 SW69.B@9306.55,1897 ; v1(9971,244.98) 10256.98,244.98 10308,296 10308,377 10288,397 SW101.B@10244.05,397 ; v1(10067.5,994.98) 10345.98,994.98 10404,1053 10404,1125 10382,1147 SW87.B@10340.55,1147 ; v1(10346,3244.98) 10630.98,3244.98 10682,3296 10682,3379 10664,3397 SW31.B@10619.05,3397 ; SW15.B@10997.05,4150 11048,4150 11077,4121 11077,4055 11039,4017 v1(10721,4017) 10711,4007 8782,4007
  L2 w8: v1@8472,4011.82 v1(8472,4017) 8289,4200 8289,4481.6 8373.4,4566 v1(8679,4566) ; v1@8479.41,4009.59 8472,4002.18 8472,3923.6 8290,3741.6 8290,3425.98 v1(8471,3244.98) 8639,3076.98 8639,2701.98 v1(8846,2494.98) 8846,1932.48 v1(9033.5,1744.98) 9204,1574.48 9204,1394 9467,1131 9931.48,1131 v1(10067.5,994.98) 10116,946.48 10116,839.6 10056.4,780 9832.4,780 9784,731.6 9784,431.98 v1(9971,244.98) ; v1(10346,3244.98) 10170,3420.98 10170,3728.6 10310.3,3868.9 10572.9,3868.9 v1(10721,4017)
NetR21_1: R21.1 SW1.G SW16.G SW18.G SW38.G SW52.G SW58.G SW76.G SW88.G SW94.G | length 43803.2
  L1 w8: v1(221,3290.48) 448.55,3290.48 SW18.G@494.05,3335.98 ; v1(315.13,290.48) 542.68,290.48 SW94.G@588.18,335.98 ; v1(408.5,2540.48) 636.05,2540.48 SW38.G@681.55,2585.98 ; SW1.G@494.05,4085.98 448.55,4040.48 v1(221,4040.48) 186.4,4005.88 186.4,3976.4 211.8,3951 10787.67,3951 10817.67,3921 10999,3921 v1(11130,4052) 11137,4045 11703.08,4045 SW16.G@11744.05,4085.98 ; v1(502.25,1790.48) 729.8,1790.48 SW58.G@775.3,1835.98 ; v1(690.14,1040.48) 917.69,1040.48 SW76.G@963.19,1085.98 ; v1(692.88,290.48) 950.35,33 15366.39,33 15596,262.61 15596,489.61 15897,790.61 15897,3916.62 15612.62,4201 14496.11,4201 R21.1@14012.11,4685 ; SW52.G@11744.05,2585.98 11747.08,2589 v1(11797,2589) ; SW88.G@11747.08,1089 v1(11797,1089)
  L2 w8: v1(221,4040.48) 246,4015.48 246,3975 37,3766 37,3474.48 v1(221,3290.48) 221,3278.21 244.5,3254.71 244.5,2704.48 v1(408.5,2540.48) 437.25,2511.73 437.25,2350.92 315.13,2228.8 315.13,1977.6 v1(502.25,1790.48) 527,1765.73 527,1203.61 v1(690.14,1040.48) 720,1010.61 720,929.8 657.2,867 251,867 149,765 149,456.6 v1(315.13,290.48) v1(692.88,290.48) ; v1(11130,4052) 11105,4027 11105,3957 11249,3813 11579.2,3813 11792,3600.2 11792,3215.2 11663,3086.2 11663,2987.8 11810,2840.8 11810,2602 v1(11797,2589) 11618,2589 11586,2557 11586,2317.8 11797,2106.8 11797,1748.2 11664,1615.2 11664,1490.8 11815,1339.8 11815,1107 v1(11797,1089)
NetR21_2: R21.2 U1.43 | length 339
  L1 w8: U1.43@13689.44,4545.74 13831.52,4545.74 R21.2@13970.78,4685
NetR22_1: R22.1 U1.4 | length 249.5
  L1 w8: R22.1@13192.06,4576.82 13346.28,4576.82 13393.11,4529.99 U1.4@13422.11,4529.99
NetR22_2: R22.2 SW13.R SW14.R SW30.R SW50.R SW51.R SW70.R SW102.R | length 12579.4
  L1 w8: v1(9221,3335.98) SW30.R@9375.94,3335.98 ; v1(9256.05,4085) 9374.97,4085 9375.94,4085.98 9414.98,4085.98 9428,4099 9428,4182 9452,4206 9577,4206 9697.02,4085.98 SW14.R@10125.94,4085.98 ; v1(9345,4512) 9345,4553 9410.9,4618.9 13029.6,4618.9 13071.68,4576.82 R22.2@13150.72,4576.82 ; v1(9596,2585.98) SW50.R@9750.94,2585.98 ; v1(9976,2587) 9977.02,2585.98 SW51.R@10688.44,2585.98 ; v1(10252.25,1835.98) SW70.R@10407.19,1835.98 ; v1(10721,335.98) SW102.R@10875.94,335.98
  L2 w8: v1(9345,4512) 9110,4512 9067,4469 9067,4274.05 v1(9256.05,4085) 9257.02,4085.98 9257.02,3919.02 9068,3730 9068,3488.98 v1(9221,3335.98) 9417,3139.98 9417,2764.98 v1(9596,2585.98) ; v1(9976,2587) 9597.02,2587 v1(9596,2585.98) ; v1(10721,335.98) 10577,479.98 10577,721 10720,864 10833.6,864 10921,951.4 10921,1615.6 10700.62,1835.98 v1(10252.25,1835.98) 10133.02,1835.98 9950,2019 9950,2231.98 v1(9596,2585.98)
NetR23_1: R23.1 SW1.R SW16.R SW18.R SW38.R SW52.R SW58.R SW76.R SW88.R SW94.R | length 43252.3
  L1 w8: v1(221,3335.98) SW18.R@375.94,3335.98 ; v1(315.13,335.98) SW94.R@470.07,335.98 ; SW1.R@375.94,4085.98 v1(221,4085.98) 192.98,4085.98 149,4042 149,3994 206,3937 10781.87,3937 10811.87,3907 11020,3907 v1(11130,4017) v1(11352.89,4017) ; v1(408.5,2585.98) SW38.R@563.44,2585.98 ; v1(502.25,1835.98) SW58.R@657.19,1835.98 ; v1(690.14,1085.98) SW76.R@845.08,1085.98 ; v1(692.88,335.98) 981.85,47 15360.59,47 15582,268.41 15582,495.41 15883,796.41 15883,3910.83 15606.83,4187 14461.19,4187 R23.1@14012.11,4636.08 ; v1(11471,4085.98) SW16.R@11625.94,4085.98 ; v1(11624,1038) SW88.R@11624,1079.97 ; v1(11624,2538) 11624,2579.97 11621.97,2582 SW52.R@11625.94,2585.98
  L2 w8: v1(221,4085.98) 261,4045.98 261,3951 51,3741 51,3505.98 v1(221,3335.98) 260,3296.98 260,2734.48 v1(408.5,2585.98) 466,2528.48 466,2359.87 329.13,2223 329.13,2009.1 v1(502.25,1835.98) 541,1797.23 541,1235.11 v1(690.14,1085.98) 743,1033.11 743,933 662,852 258,852 163,757 163,488.1 v1(315.13,335.98) v1(692.88,335.98) ; v1(11130,4017) 11127.9,4014.9 11127.9,3953.9 11254.8,3827 11593.8,3827 11806,3614.8 11806,3209.4 11677,3080.4 11677,2993.6 11825,2845.6 11825,2564 11799,2538 v1(11624,2538) 11600,2514 11600,2323.6 11811,2112.6 11811,1742.4 11678,1609.4 11678,1496.6 11832,1342.6 11832,1075 11795,1038 v1(11624,1038) ; v1(11352.89,4017) 11318,4051.89 11318,4102 11342,4126 11430.98,4126 v1(11471,4085.98)
NetR23_2: R23.2 U1.42 | length 325.3
  L1 w8: U1.42@13689.44,4529.99 13864.69,4529.99 R23.2@13970.78,4636.08
NetR24_1: R24.1 U1.7 U2.61 | length 2337.8
  L1 w8: v2(13055.5,4275) 13054.5,4276 13054.5,4378 13121.5,4445 13200.19,4445 13208.67,4453.48 13209,4453.48 13214.85,4459.34 13214.85,4459.66 13237.94,4482.75 U1.7@13422.11,4482.75
  L2 w8: v2(13055.5,4275) 13058.96,4271.54 14206.03,4271.54 ; R24.1@14172.73,4233.77 14172.73,4238.23 14206.03,4271.54 ; U2.61@14529.08,4757.38 14529.08,4594.58 14206.03,4271.54
NetR25_1: R25.1 U1.5 | length 235.2
  L1 w8: R25.1@13192.06,4526.55 13204.36,4514.24 U1.5@13422.11,4514.24
NetR25_2: R25.2 SW13.G SW14.G SW30.G SW50.G SW51.G SW70.G SW102.G | length 13386.8
  L1 w8: v1(9212,4060) 9217.68,4054.32 9462.4,4054.32 9494.05,4085.98 9458.02,4085.98 9442,4102 9442,4176.2 9457.8,4192 9571.2,4192 9719.2,4044 10202.08,4044 SW14.G@10244.05,4085.98 ; v1(9221,3290.48) 9448.55,3290.48 SW30.G@9494.05,3335.98 ; v1(9387,4539) 9387,4570 9421.9,4604.9 13023.8,4604.9 13103.8,4524.9 13149.07,4524.9 R25.2@13150.72,4526.55 ; v1(9596,2540.48) v1(9823.55,2540.48) SW50.G@9869.05,2585.98 ; v1(9975,2541) 9975.52,2540.48 10761.05,2540.48 SW51.G@10806.55,2585.98 ; v1(10252.25,1790.48) 10479.8,1790.48 SW70.G@10525.3,1835.98 ; v1(10721,290.48) 10948.55,290.48 SW102.G@10994.05,335.98
  L2 w8: v1(9212,4060) v1@9212,4054.52 ; v1(9387,4539) 9117.2,4539 9053,4474.8 9053,4213.52 v1@9212,4054.52 ; v1(9823.55,2540.48) 9824.08,2541 v1(9975,2541) ; v1(10721,290.48) 10563,448.48 10563,726.8 10714.2,878 10827.8,878 10907,957.2 10907,1609.8 10726.32,1790.48 v1(10252.25,1790.48) 10158.72,1790.48 9936,2013.2 9936,2200.48 v1(9596,2540.48) 9403,2733.48 9403,3108.48 v1(9221,3290.48) 9054,3457.48 9054,3735.8 9212,3893.8 v1@9212,4054.52
NetR26_1: R26.1 SW2.B SW17.B SW19.B SW39.B SW53.B SW59.B SW77.B SW89.B SW95.B | length 44092
  L1 w8: v1@971,3244.98 1242.98,3244.98 1310,3312 1310,3367 1280,3397 SW19.B@1244.05,3397 ; v1(971,3994.98) 1269.98,3994.98 1327,4052 1327,4121 1298,4150 SW2.B@1247.05,4150 ; v1(1135.34,244.98) 1557.98,244.98 1589,276 1589,377 1567,399 1527.68,399 SW95.B@1525.68,397 ; v1(1228.71,2491) 1645,2491 1687,2533 1687,2615 1655,2647 SW39.B@1619.05,2647 ; v1(1416.21,1744.98) 1831.98,1744.98 1882,1795 1882,1863 1849,1896 1807.55,1896 SW59.B@1806.55,1897 ; v1(1630.38,244.98) 1814.35,61 15354.79,61 15568,274.21 15568,501.21 15869,802.21 15869,3905.03 15601.03,4173 14426.27,4173 R26.1@14012.11,4587.15 ; v1(1791.71,994.98) 2211.98,994.98 ; SW77.B@2182.05,1147 2239,1147 2263,1123 2263,1046 2211.98,994.98 ; v1(12221,3994.98) 12527.98,3994.98 12576,4043 12576,4123 12552,4147 SW17.B@12494.05,4147 ; SW53.B@12482.24,2640.35 12528.35,2640.35 v3(12534,2646) ; v3(12541,1140) 12482.59,1140 SW89.B@12482.24,1140.35 12446.35,1140.35 12435,1129 12435,1030 12389,984 10967.01,984 10831.01,848 10635,848 10526,957 10125,957 10017,849 9732.99,849 9611.99,970 7458.2,970 7248.2,760 6721.8,760 6511.8,970 3902.6,970 3689.6,757 3130.99,757 2917.99,970 2236.95,970 2211.98,994.98
  L2 w8: v1(971,3994.98) 971,3912 775,3716 775,3444.4 1172,3047.4 1172,2547.71 v1(1228.71,2491) 1358,2361.71 1358,1815.45 1416.21,1757.24 v1(1416.21,1744.98) 1643,1518.19 1643,1143.69 v1(1791.71,994.98) 1791.71,923.31 1751.4,883 1208.4,883 1053,727.6 1053,327.32 v1(1135.34,244.98) v1(1630.38,244.98) ; v1(12221,3994.98) 12258,3957.98 12258,3874 12533,3599 12533,3192 12424,3083 12424,2952 12556,2820 12556,2668 v3(12534,2646) 12405.2,2646 12322,2562.8 12322,2314 12530,2106 12530,1751 12400,1621 12400,1484 12541,1343 v3(12541,1140)
  other v1: 971,3242
NetR26_2: R26.2 U1.41 | length 311.5
  L1 w8: U1.41@13689.44,4514.24 13897.87,4514.24 R26.2@13970.78,4587.15
NetR27_1: R27.1 U1.6 | length 239.3
  L1 w8: R27.1@13192.06,4476.27 13214.28,4498.5 U1.6@13422.11,4498.5